# Altium PCB main_board.PcbDoc (part 1 of 2) (continued)
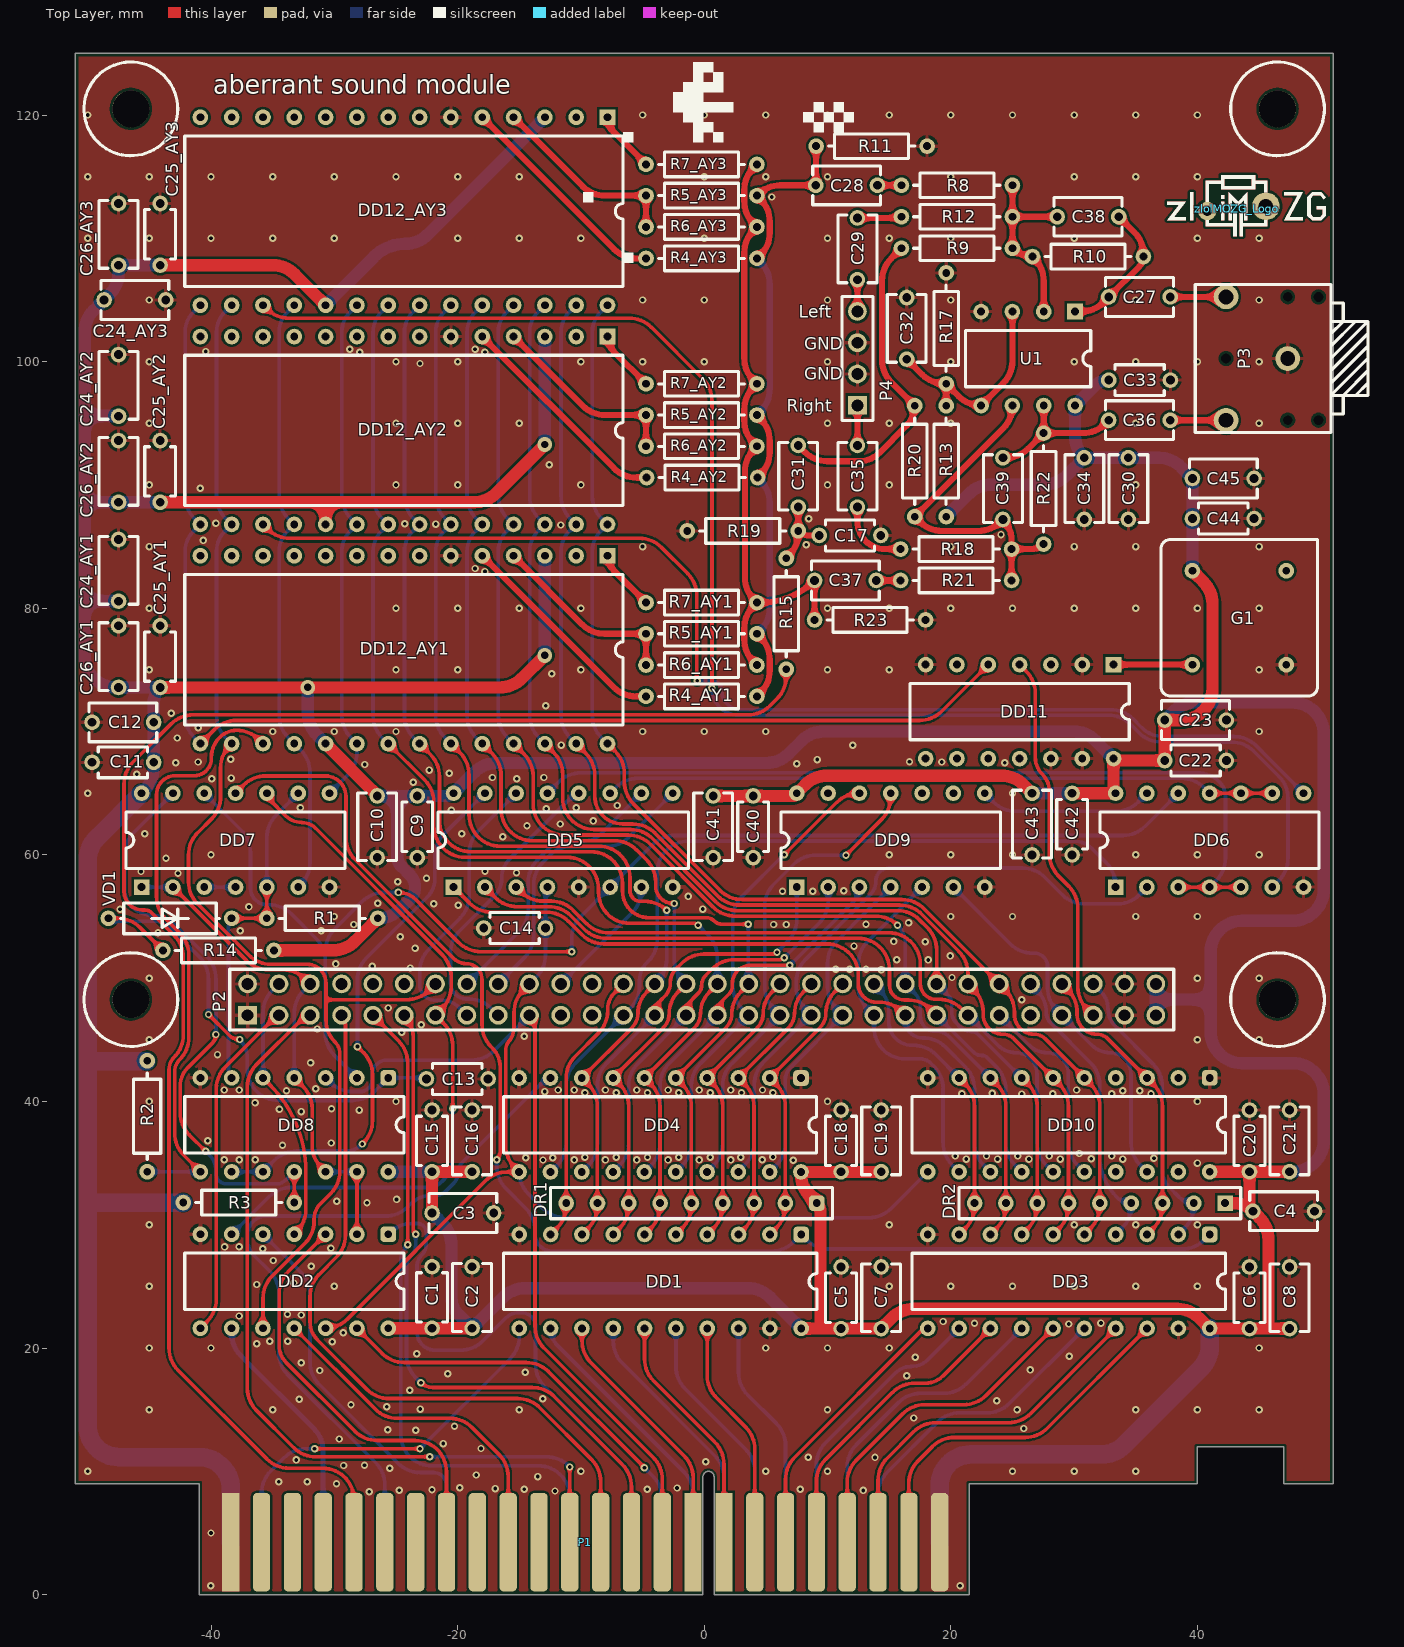
[diagram p0: Top Layer view]
## Footprints (in the part's own frame and the unit in brackets; to place one, negate y for a bottom-side part, rotate by r counter-clockwise, add the part's x,y. Pads: shape width x height; smd on the part's side, far side on the other; paste and mask are expansions set on the pad) (continued)
  silkscreen extent -1507,-97 1507,97, body extent -1500,-100 1500,100, height 339
PLS4 [mil]
  rect 60x60 hole 38: 1(150,0)
  round 60 hole 38: 2(50,0) 3(-50,0) 4(-150,0)
  silkscreen extent -198,-49 198,49, body extent -200,-50 200,50, height 332
SIP9#1 [mm]
  rrect50% 1.27x1.27 hole 0.635: 1(0,0)
  round 1.27 hole 0.635: 2(0,-2.54) 3(0,-5.08) 4(0,-7.62) 5(0,-10.16) 6(0,-12.7) 7(0,-15.24) 8(0,-17.78) 9(0,-20.32)
  silkscreen extent -1.27,-21.59 1.27,1.27, body extent -1.25,-21.61 1.25,1.29, height 6.08
SIP9#2 [mm]
  rect 1.27x1.27 hole 0.635: 1(0,0)
  round 1.27 hole 0.635: 2(0,-2.54) 3(0,-5.08) 4(0,-7.62) 5(0,-10.16) 6(0,-12.7) 7(0,-15.24) 8(0,-17.78) 9(0,-20.32)
  silkscreen extent -1.27,-21.59 1.27,1.27, body extent -1.25,-21.61 1.25,1.29, height 6.08
"SNP15-48 EDGE" [mm]
  rect 1.4x8 smd far side: A1(0,0) A16(37.5,0) A17(40,0)
  rrect50% 1.4x8 smd far side: A2(2.5,0) A3(5,0) A4(7.5,0) A5(10,0) A6(12.5,0) A7(15,0) A8(17.5,0) A9(20,0) A10(22.5,0) A11(25,0) A12(27.5,0) A13(30,0) A14(32.5,0) A15(35,0) A18(42.5,0) A19(45,0) A20(47.5,0) A21(50,0) A22(52.5,0) A23(55,0) A24(57.5,0)
  rect 1.4x8 smd: B1(0,0) B16(37.5,0) B17(40,0)
  rrect50% 1.4x8 smd: B2(2.5,0) B3(5,0) B4(7.5,0) B5(10,0) B6(12.5,0) B7(15,0) B8(17.5,0) B9(20,0) B10(22.5,0) B11(25,0) B12(27.5,0) B13(30,0) B14(32.5,0) B15(35,0) B18(42.5,0) B19(45,0) B20(47.5,0) B21(50,0) B22(52.5,0) B23(55,0) B24(57.5,0)
ST-111 [mm]
  round 0 hole 0.762 unplated: 0(0,-5)
  round 2 hole 1.2: 1(0,0) 2(5,5) 3(5,-5)
  round 0 hole 0.8 unplated: ""(-2.5,5) ""(-2.5,-5) ""(0,5) ""(5,0)
  silkscreen extent -6.5,-6 7.5,6, body extent -6.5,-6 7.5,6, height 6
zloiMOZG_Logo_1.5mm [mm]
  round 1.5 hole 0.8: 0(3.25,0.75)
  round 2.25 hole 1.2: 0(8,1.125)
  Top Layer region: 0,1.25 0,1.5 1.5,1.5 0.515,0.25 1.5,0.25 1.5,0 0,0 0.985,1.25
  Top Layer region: 1.875,0 1.875,2.25 2.125,2.25 2.125,0
  Top Layer region: 5,0 5,2.25 5.75,1.483 6.5,2.25 6.5,0 6.25,0 6.25,1.637 5.75,1.125 5.25,1.637 5.25,0
  Top Layer region: 4.375,1.75 4.375,2 4.625,2 4.625,1.75
  Top Layer region: 4.375,0 4.625,0 4.625,1.5 4.375,1.5
  Top Layer region: 9.5,2 9.5,2.25 11,2.25 9.919,0.25 11,0.25 11,0 9.5,0 10.581,2
  Top Layer region: 11.375,0.375 11.75,0 12.5,0 12.875,0.375 12.875,1.125 12.125,1.125 12.125,0.875 12.625,0.875 12.625,0.479 12.396,0.25 11.854,0.25 11.625,0.479 11.625,1.771 11.854,2 12.396,2 12.698,1.698 12.875,1.875 12.5,2.25 11.75,2.25 11.375,1.875
  Top Layer region: 3.125,1.49 3.375,1.49 3.375,2.937 4.375,2.937 4.375,3.187 3.125,3.187
  Top Layer region: 3.125,-0.5 3.125,0.01 3.375,0.01 3.375,-0.25 5.375,-0.25 5.375,-0.5
  Top Layer region: 5.375,-1.312 5.375,0.562 5.625,0.563 5.625,-1.312
  Top Layer region: 5.875,-1.313 5.875,0.562 6.125,0.563 6.125,-1.312
  Top Layer region: 6.125,-0.5 6.125,-0.25 7.875,-0.25 7.875,0.007 8.125,0.007 8.125,-0.5
  Top Layer region: 7.125,2.937 7.125,3.187 8.125,3.187 8.125,2.243 7.875,2.243 7.875,2.937
  Top Layer region: 4.375,2.5 4.625,2.75 4.625,3.375 4.375,3.625
  Top Layer region: 4.375,2.5 4.625,2.75 6.875,2.75 7.125,2.5
  Top Layer region: 6.875,2.75 7.125,2.5 7.125,3.625 6.875,3.375
  Top Layer region: 4.375,3.625 4.625,3.375 6.875,3.375 7.125,3.625
  silkscreen extent 0,-1.31 12.88,3.62

## Part data
C1 C2 C3 C4 C5 C6 C7 C8 C9 C10 C11 C12 C13 C14 C15 C16 C18 C19 C20 C21 C22 C23 C24_AY1 C24_AY2 C24_AY3 C25_AY1 C25_AY2 C25_AY3 C26_AY1 C26_AY2 C26_AY3 C27 C28 C29 C30 C31 C32 C33 C34 C35 C36 C37 C38 C39 C40 C41 C42 C43 C44 C45: library part Cap, "Murata ceramic capacitor"
C17: "Murata ceramic capacitor"
DD1 DD3: library part 74x642
DD2: library part "74x1034 IEEE", "ЛП19 6 buffers"
DD4 DD10: "ИР22 transparent latch"
DD5: "ИД7 3 to 8 DEMUX"
DD6: "ЛЕ4 3x3NOR"
DD7: "ЛИ1 4x2AND"
DD8: "ЛА13 4x2NAND O.C."
DD9: "ЛА2 8NAND"
DD11: "ИЕ19"
G1: Frequency=xx.xxxxxMHz
P1: library part "SNP15-48 EDGE"
P4: library part PLS4
R1 R2 R3 R4_AY1 R4_AY2 R4_AY3 R5_AY1 R5_AY2 R5_AY3 R6_AY1 R6_AY2 R6_AY3 R7_AY1 R7_AY2 R7_AY3 R8 R9 R10 R11 R12 R13 R14 R15 R17 R18 R19 R20 R21 R22 R23: library part "Axial Resistor 0.25"
VD1: library part Diode

## Free pads (board coordinates)
  round 3 hole 3 unplated: 0(-46.5,48.26) 0(-46.5,120.5) 0(46.5,48.26) 0(46.5,120.5)

## Via types
v1: diameter 0.6, hole 0.3, Top Layer to Bottom Layer, tented both sides, 446 vias
v2: diameter 1.2, hole 0.6, Top Layer to Bottom Layer, tented both sides, 3 vias

## Nets (pads, with @x,y where several pads share a name; then routed paths per layer and width w, separated by ;. In a path a pad name is that pad's centre, name@x,y a point inside that pad or via, vN(x,y) a via of type N, cw(c..) or ccw(c..) an arc to the next point about the centre after c; other vN are vias at no path point)
3.58MHz: DD11.4 P2.55 | length 30.3
  Top Layer w0.3: DD11.4@25.58,75.425 26.106,74.899 cw(c24.31,73.103) 26.85,73.103 26.85,67.913 ccw(c28.813,67.913) 27.425,66.525 cw(c26.037,65.137) 28,65.137 28,60.077 ccw(c30.54,60.077) 28.744,58.281 29.556,57.469 cw(c27.76,55.673) 30.3,55.673 30.3,49.292 ccw(c32.84,49.292) 31.044,47.496 P2.55@31.55,46.99
4MHz: DD2.8 P2.3 | length 27.9
  Top Layer w0.3: DD2.8@-40.865,21.605 -40.319,22.151 ccw(c-42.115,23.947) -39.575,23.947 -39.575,41.023 cw(c-37.035,41.023) -38.831,42.819 -34.78,46.87 cw(c-34.49,46.58) P2.3@-34.49,46.99
+5: C1.2 C2.2 C3.2 C4.2 C5.2 C6.2 C7.2 C8.2 C9.2 C10.2 C11.2 C12.2 C15.2 C16.2 C18.2 C19.2 C20.2 C21.2 C22.2 C23.2 C24_AY1.2 C24_AY2.2 C24_AY3.2 C25_AY1.2 C25_AY2.2 C25_AY3.2 C26_AY1.2 C26_AY2.2 C26_AY3.2 C30.2 C33.2 C34.2 C40.2 C41.2 C42.2 C43.2 C44.2 C45.2 DD1.20 DD2.14 DD3.20 DD4.20 DD5.16 DD6.14 DD7.14 DD8.14 DD9.14 DD10.20 DD11.14 DD12_AY1.3 DD12_AY1.19 DD12_AY2.3 DD12_AY2.19 DD12_AY3.3 DD12_AY3.19 DR1.1 DR2.1 G1.8 P1.A1 P1.A24 P2.59 P2.60 R1.1 R2.1 R3.1 R13.1 R14.1 U1.8 | length 708
  Top Layer w1: C25_AY1.2@-44.125,73.575 -16.577,73.575 ccw(c-16.577,76.115) -14.781,74.319 v2(-12.925,76.175) ; C25_AY2.2@-44.125,88.6 -30.704,88.6 ; C25_AY3.2@-44.125,107.825 -35.005,107.825 cw(c-35.005,105.285) -33.209,107.081 DD12_AY3.19@-30.704,104.576 ; R14.1@-34.9,52.25 -30.127,52.25 ccw(c-30.127,54.79) -28.331,52.994 R1.1@-26.475,54.85 ; DD12_AY1.19@-30.704,69.016 -26.525,64.837 C10.2@-26.525,64.775 ; DD12_AY2.19@-30.704,86.796 -30.704,88.6 ; DD2.14@-25.625,21.605 -18.825,21.605 C2.2@-18.825,21.6 ; C3.2@-22.075,30.95 C15.2@-22.075,34.3 C16.2@-18.825,34.3 ; v2(-12.925,93.275) -16.856,89.344 cw(c-18.652,91.14) -18.652,88.6 -30.704,88.6 ; C41.2@0.725,64.775 7.284,64.775 DD9.14@7.509,65 8.19,65.681 cw(c9.986,63.885) 9.986,66.425 24.1,66.425 cw(c24.1,63.885) 25.896,65.681 C43.2@26.59,64.987 ; DD1.20@7.865,21.59 9.425,21.59 ; C19.2@14.35,34.3 cw(c14.302,34.348) 14.302,34.28 11.1,34.28 DD4.20@7.85,34.28 7.85,34.077 ccw(c10.39,34.077) 8.594,32.281 DR1.1@9.125,31.75 cw(c8.401,31.026) 9.425,31.026 9.425,21.59 ; C42.2@29.84,64.987 33.335,64.987 ccw(c33.335,65.031) DD6.14@33.365,65 cw(c33.765,65.399) 33.2,65.399 DD11.14@33.2,67.805 ccw(c33.574,68.179) 33.574,67.65 C22.2@37.35,67.65 C23.2@37.35,70.925 38.685,70.925 ccw(c38.685,73.465) 41.225,73.465 41.225,80.348 ccw(c38.685,80.348) 40.481,82.144 G1.8@39.59,83.035 ; DD10.20@40.995,34.29 C20.2@44.225,34.29 ; DR2.1@42.25,31.75 42.931,31.75 cw(c42.931,29.532) 44.499,31.101 cw(c42.931,29.532) C4.2@44.5,31.1 45.024,30.575 cw(c43.228,28.779) 45.768,28.779 45.768,21.59 ; 44.225,31.764 C20.2@44.225,34.29 ; C20.2@44.225,34.3 C20.2@44.225,34.29 ; C8.2@47.475,21.575 ccw(c47.439,21.539) 47.439,21.59 45.768,21.59 ; C21.2@47.475,34.3 cw(c47.451,34.324) 47.451,34.29 C20.2@44.225,34.29 ; 9.425,21.59 11.1,21.59 14.314,21.59 cw(c14.314,21.539) C7.2@14.35,21.575 15.206,22.431 cw(c17.002,20.635) 17.002,23.175 38.358,23.175 cw(c38.358,20.635) 40.154,22.431 DD3.20@40.995,21.59 44.225,21.59 45.768,21.59
  Bottom Layer w1: C24_AY1.2@-47.5,80.575 -50.25,80.575 ; C24_AY2.2@-47.5,95.575 ccw(c-47.525,95.575) -47.525,95.6 -50.25,95.6 ; DD7.14@-45.63,65 -45.394,65.236 ccw(c-47.19,67.032) -44.65,67.032 C11.2@-44.65,67.5 C12.2@-44.65,70.75 -44.65,72.308 cw(c-42.858,72.308) C25_AY1.2@-44.125,73.575 C26_AY1.2@-47.5,73.575 -47.71,73.575 cw(c-47.71,76.115) -50.25,76.115 -50.25,80.575 ; R2.1@-45.235,43.275 -45.223,43.275 -45.04,43.092 R2.1@-45.04,43.08 ; C25_AY2.2@-44.125,88.6 C26_AY2.2@-47.5,88.6 -50.25,88.6 ; C25_AY3.2@-44.125,107.825 C26_AY3.2@-47.5,107.825 -47.5,107.227 cw(c-50.04,107.227) -48.244,105.431 C24_AY3.2@-48.675,105 -49.506,104.169 ccw(c-47.71,102.373) -50.25,102.373 -50.25,95.6 ; v2(-32.15,73.575) -32.15,71.514 ccw(c-29.61,71.514) -31.406,69.718 DD12_AY1.19@-30.704,69.016 ; DD12_AY3.19@-30.704,104.576 -26.783,108.498 cw(c-24.243,105.958) -24.243,109.55 ccw(c-24.243,112.09) -22.447,110.294 DD12_AY3.3@-12.924,119.816 ; C10.2@-26.525,64.775 -24.9,64.775 ; R1.1@-26.475,54.85 -26.452,54.85 ccw(c-26.452,57.39) -24.656,55.594 -23.825,56.425 ccw(c-24.73,57.33) -23.45,57.33 -23.45,57.375 ccw(c-24.838,57.375) -23.857,58.357 -24.531,59.031 cw(c-23.64,59.922) -24.9,59.922 -24.9,64.775 ; DD8.14@-25.625,34.29 -25.625,34.3 C15.2@-22.075,34.3 ; C3.2@-22.075,30.95 -21.244,30.119 cw(c-23.04,28.323) -20.5,28.323 -20.5,24.075 ccw(c-18.569,24.075) -19.934,22.709 C2.2@-18.825,21.6 -16.319,24.106 cw(c-14.523,22.31) -14.523,24.85 3.553,24.85 cw(c3.553,22.31) 5.349,24.106 DD1.20@7.865,21.59 ; v2(-12.925,76.175) DD12_AY1.3@-12.924,84.256 ; v2@-12.924,93.276 DD12_AY2.3@-12.924,102.036 ; R13.1@19.625,87.425 21.481,89.281 cw(c23.277,87.485) 23.277,90.025 27.586,90.025 ccw(c27.586,92.565) 29.382,90.769 C34.2@30.819,92.206 ; C43.2@26.59,64.987 C42.2@29.84,64.987 ; C33.2@32.814,98.5 ccw(c32.814,96.86) 31.655,98.02 U1.8@30.075,96.44 30.075,94.002 ccw(c32.615,94.002) C34.2@30.819,92.206 ; DD11.14@33.2,67.805 31.749,69.256 ccw(c29.953,67.46) 29.953,70 9.702,70 ccw(c9.702,67.46) 7.906,69.256 6.844,68.194 cw(c5.048,69.99) 5.048,67.45 -16.829,67.45 ccw(c-16.829,64.91) -18.625,66.706 DD5.16@-20.331,65 cw(c-20.874,65.543) -20.874,64.775 C9.2@-23.275,64.775 -24.9,64.775 ; C30.2@34.4,92.189 ccw(c34.374,92.163) 34.374,92.2 C34.2@30.825,92.2 C34.2@30.819,92.206 ; C30.2@34.4,92.2 36.873,92.2 cw(c36.873,89.66) 38.669,91.456 C45.2@39.6,90.525 39.6,83.059 cw(c39.566,83.059) G1.8@39.59,83.035 ; P2.59@36.63,46.99 36.63,48.26 ; P2.60@36.63,49.53 36.63,48.26 ; C23.2@37.35,70.925 38.031,71.606 cw(c39.827,69.81) 39.827,72.35 47.71,72.35 cw(c47.71,69.81) 50.25,69.81 50.25,57.19 cw(c47.71,57.19) 47.71,54.65 43.615,54.65 ccw(c43.615,52.11) 41.075,52.11 41.075,48.26 36.63,48.26 ; 41.075,48.1 41.075,45.64 ccw(c43.615,45.64) 43.615,43.1 47.735,43.1 cw(c47.735,40.585) 50.25,40.585 50.25,36.84 cw(c47.71,36.84) 47.71,34.3 C21.2@47.475,34.3 ; -50.25,80.575 -50.25,88.6 ; -50.25,88.6 -50.25,95.6
  Bottom Layer w1.5: DD7.14@-45.63,65 -49.256,61.374 ccw(c-47.46,59.578) -50,59.578 -50,43.275 ; R2.1@-45.235,43.275 -50,43.275 ; R3.1@-42.25,31.8 -50,31.8 ; P1.A1@-38.4,4.25 -38.4,8.61 ccw(c-40.94,8.61) -40.94,11.15 -47.46,11.15 cw(c-47.46,13.69) -50,13.69 -50,31.8 ; P1.A24@19.1,4.25 19.1,8.835 cw(c21.64,8.835) 21.64,11.375 32.248,11.375 ccw(c32.248,13.915) 34.044,12.119 40.251,18.326 ccw(c38.455,20.122) 40.995,20.122 DD3.20@40.995,21.59 ; -50,31.8 -50,43.275
A0: DD10.16 P2.49 | length 16.1
  Bottom Layer w0.3: P2.49@23.93,46.99 26.358,44.562 ccw(c27.835,46.038) 27.835,43.95 cw(c27.835,42.25) 29.535,42.25 29.535,36.642 ccw(c32.075,36.642) 30.279,34.846 DD10.16@30.835,34.29
A1: DD5.3 DD10.15 P2.47 | length 58.2
  Top Layer w0.3: DD5.3@-15.251,57.38 -14.865,56.994 ccw(c-13.069,58.79) -13.069,56.25 -12.427,56.25 cw(c-12.427,53.71) -10.631,55.506 -9.544,54.419 ccw(c-7.748,56.215) -7.748,53.675 14.985,53.675 cw(c14.985,51.135) 17.525,51.135 17.525,49.55 ccw(c18.8,49.55) 18.8,48.275 19.053,48.275 cw(c19.053,45.735) 20.849,47.531 P2.47@21.39,46.99
  Bottom Layer w0.3: P2.47@21.39,46.99 23.818,44.562 ccw(c25.295,46.038) 25.295,43.95 cw(c25.295,42.25) 26.995,42.25 26.995,36.642 ccw(c29.535,36.642) 27.739,34.846 DD10.15@28.295,34.29
A2: DD5.2 DD10.14 P2.45 | length 57.5
  Top Layer w0.3: DD5.2@-17.791,57.38 -16.955,56.544 ccw(c-15.159,58.34) -15.159,55.8 -12.613,55.8 cw(c-12.613,53.26) -10.817,55.056 -9.73,53.969 ccw(c-7.934,55.765) -7.934,53.225 12.485,53.225 cw(c12.485,50.685) 15.025,50.685 15.025,49.425 ccw(c16.225,49.425) 16.225,48.225 16.563,48.225 cw(c16.563,45.685) 18.359,47.481 P2.45@18.85,46.99
  Bottom Layer w0.3: P2.45@18.85,46.99 21.843,43.997 ccw(c22.5,44.654) 22.5,43.725 cw(c22.5,43.061) 22.969,43.531 23.711,42.789 cw(c21.915,40.993) 24.455,40.993 24.455,36.642 ccw(c26.995,36.642) 25.199,34.846 DD10.14@25.755,34.29
A3: DD5.1 DD10.13 P2.43 | length 57.7
  Top Layer w0.3: DD5.1@-20.331,57.38 -19.045,56.094 ccw(c-17.249,57.89) -17.249,55.35 -12.8,55.35 cw(c-12.8,52.81) -11.004,54.606 -9.917,53.519 ccw(c-8.121,55.315) -8.121,52.775 9.96,52.775 cw(c9.96,50.235) 12.5,50.235 12.5,49.512 ccw(c13.96,49.512) 13.96,48.052 14.196,48.052 cw(c14.196,45.512) 15.992,47.308 P2.43@16.31,46.99
  Bottom Layer w0.3: P2.43@16.31,46.99 16.31,46.54 ccw(c17.7,46.54) 17.7,45.15 17.773,45.15 cw(c17.773,42.61) 18.183,45.117 cw(c17.773,42.61) 19.569,44.406 21.171,42.804 cw(c19.375,41.008) 21.915,41.008 21.915,36.642 ccw(c24.455,36.642) 22.659,34.846 DD10.13@23.215,34.29
A4: DD4.14 DD9.2 P2.29 | length 32.6
  Top Layer w0.3: P2.29@-1.47,46.99 cw(c0.437,46.99) -0.911,48.339 -0.467,48.783 ccw(c-1.076,49.392) -0.215,49.392 cw(c0.976,49.392) -0.174,49.7 cw(c0.976,49.392) 0.134,50.234 0.656,50.756 cw(c2.452,48.96) 2.452,51.5 6.138,51.5 ccw(c6.138,52.012) v1(6.5,51.65)
  Bottom Layer w0.3: DD4.14@-7.39,34.28 -6.864,34.806 ccw(c-8.66,36.602) -6.12,36.602 -6.12,41.288 cw(c-3.58,41.288) -5.376,43.084 P2.29@-1.47,46.99 ; v1(6.5,51.65) 9.305,54.455 ccw(c7.509,56.251) 10.049,56.251 DD9.2@10.049,57.38
A4-7_9-12: DD6.13 DD9.8 | length 14.2
  Bottom Layer w0.3: DD9.8@22.749,65 23.48,64.269 ccw(c25.276,66.065) 25.276,63.525 33.378,63.525 ccw(c33.378,66.065) 35.174,64.269 DD6.13@35.905,65
A5: DD4.13 DD9.1 P2.27 | length 33.7
  Top Layer w0.3: P2.27@-4.01,46.99 cw(c-2.26,46.99) -3.497,48.228 -3.2,48.525 ccw(c-4.286,49.611) -2.75,49.611 -2.75,49.674 cw(c-1.299,49.674) -2.325,50.7 -1.819,51.206 cw(c-0.023,49.41) -0.023,51.95 5.538,51.95 ccw(c5.538,52.462) v1(5.9,52.1)
  Bottom Layer w0.3: DD4.13@-9.93,34.28 -9.404,34.806 ccw(c-11.2,36.602) -8.66,36.602 -8.66,41.288 cw(c-6.12,41.288) -7.916,43.084 P2.27@-4.01,46.99 ; v1(5.9,52.1) 6.765,52.965 ccw(c4.969,54.761) 7.509,54.761 DD9.1@7.509,57.38
A6: DD4.16 DD9.12 P2.33 | length 38.1
  Top Layer w0.3: v1(6.5,60) 10.756,64.256 cw(c12.552,62.46) 12.552,65 DD9.12@12.589,65
  Bottom Layer w0.3: DD4.16@-2.31,34.28 -1.784,34.806 ccw(c-3.58,36.602) -1.04,36.602 -1.04,41.288 cw(c1.5,41.288) -0.296,43.084 P2.33@3.61,46.99 3.069,47.531 cw(c4.865,49.327) 2.325,49.327 2.325,54.823 cw(c4.865,54.823) 3.069,56.619 6.45,60 v1(6.5,60)
A7: DD4.15 DD9.3 P2.31 | length 32
  Top Layer w0.3: P2.31@1.07,46.99 cw(c2.953,46.99) 1.622,48.322 2,48.7 ccw(c1.336,49.364) 2.275,49.364 2.275,49.532 cw(c3.793,49.532) 3.793,51.05 v1(6.95,51.05)
  Bottom Layer w0.3: DD4.15@-4.85,34.28 -4.324,34.806 ccw(c-6.12,36.602) -3.58,36.602 -3.58,41.288 cw(c-1.04,41.288) -2.836,43.084 P2.31@1.07,46.99 ; v1(6.95,51.05) 12.1,56.2 ccw(c10.919,57.38) DD9.3@12.589,57.38
A8: DD4.18 DD6.2 P2.37 | length 52.7
  Bottom Layer w0.3: DD4.18@2.8,34.375 3.326,34.901 ccw(c1.53,36.697) 4.07,36.697 4.07,41.383 cw(c6.61,41.383) 4.814,43.179 P2.37@8.72,47.085 ; P2.37@8.69,46.99 8.658,47.023 8.219,47.461 cw(c10.015,49.257) 7.475,49.257 7.475,49.723 cw(c10.015,49.723) 8.219,51.519 13.475,56.775 ccw(c12.389,57.861) 13.925,57.861 13.925,57.875 cw(c14.975,57.875) 14.975,58.925 25.823,58.925 cw(c25.823,56.385) 27.619,58.181 29.031,56.769 ccw(c30.827,58.565) 30.827,56.025 33.55,56.025 ccw(c33.55,58.44) 35.258,56.732 DD6.2@35.905,57.38
A9: DD4.17 DD9.11 P2.35 | length 39.3
  Top Layer w0.3: v1(11.5,59.975) 14.385,62.86 ccw(c12.589,64.656) 15.129,64.656 DD9.11@15.129,65
  Bottom Layer w0.3: DD4.17@0.23,34.28 0.756,34.806 ccw(c-1.04,36.602) 1.5,36.602 1.5,41.288 cw(c4.04,41.288) 2.244,43.084 P2.35@6.15,46.99 5.644,47.496 cw(c7.44,49.292) 4.9,49.292 4.9,55.823 cw(c7.44,55.823) 5.644,57.619 7.256,59.231 cw(c9.052,57.435) 9.052,59.975 v1(11.5,59.975)
A10: DD9.5 DD10.12 P2.41 | length 29.5
  Bottom Layer w0.3: DD9.5@17.669,57.38 13.244,52.955 ccw(c15.04,51.159) 12.5,51.159 12.5,49.312 ccw(c15.04,49.312) 13.244,47.516 P2.41@13.77,46.99 13.77,45.99 ccw(c16.31,45.99) 16.31,43.45 17.53,43.45 cw(c17.53,42.255) 18.375,43.1 18.631,42.844 cw(c16.835,41.048) 19.375,41.048 19.375,36.642 ccw(c21.915,36.642) 20.119,34.846 DD10.12@20.675,34.29
A11: DD4.19 DD9.4 P2.39 | length 27.6
  Bottom Layer w0.3: DD4.19@5.31,34.28 5.836,34.806 ccw(c4.04,36.602) 6.58,36.602 6.58,41.756 cw(c7.991,41.756) 6.993,42.753 P2.39@11.23,46.99 10.744,47.476 cw(c12.54,49.272) 10,49.272 10,51.191 cw(c12.54,51.191) 10.744,52.987 13.152,55.395 ; 13.269,55.52 DD9.4@15.129,57.38
A12: DD9.6 DD10.18 P2.53 | length 30.8
  Bottom Layer w0.3: DD9.6@20.209,57.38 24.82,52.769 ccw(c26.616,54.565) 26.616,52.025 26.775,52.025 cw(c26.775,50.95) 27.85,50.95 27.85,49.202 ccw(c30.39,49.202) 28.594,47.406 P2.53@29.01,46.99 31.438,44.562 ccw(c32.915,46.038) 32.915,43.95 cw(c32.915,42.25) 34.615,42.25 34.615,36.642 ccw(c37.155,36.642) 35.359,34.846 DD10.18@35.915,34.29
A\D\0\: DD3.15 P1.B21 | length 27
  Top Layer w0.3: P1.B21@11.6,4.25 11.6,9.123 cw(c14.14,9.123) 12.344,10.919 16.081,14.656 cw(c17.877,12.86) 17.877,15.4 21.053,15.4 ccw(c21.053,17.94) 22.849,16.144 DD3.15@28.295,21.59
A\D\1\: DD3.14 P1.A21 | length 25.2
  Bottom Layer w0.3: P1.A21@11.6,4.25 11.6,10.373 cw(c14.14,10.373) 12.344,12.169 15.756,15.581 cw(c17.552,13.785) 17.552,16.325 19.438,16.325 ccw(c19.438,18.865) 21.234,17.069 DD3.14@25.755,21.59
A\D\1\0\: DD3.11 P1.B19 | length 22.2
  Top Layer w0.3: P1.B19@6.6,4.25 6.6,9.348 cw(c9.14,9.348) 7.344,11.144 17.546,21.346 cw(c18.135,20.757) DD3.11@18.135,21.59
A\D\1\1\: DD1.18 P1.A19 | length 18.7
  Bottom Layer w0.3: DD1.18@2.785,21.59 2.785,17.992 ccw(c5.325,17.992) 3.529,16.196 5.856,13.869 cw(c4.06,12.073) 6.6,12.073 P1.A19@6.6,4.25
A\D\1\2\: DD3.17 P1.B22 | length 29.7
  Top Layer w0.3: P1.B22@14.1,4.25 14.1,9.273 cw(c16.64,9.273) 14.844,11.069 16.981,13.206 cw(c18.777,11.41) 18.777,13.95 24.683,13.95 ccw(c24.683,16.49) 26.479,14.694 DD3.17@33.375,21.59
A\D\1\3\: DD3.16 P1.A22 | length 26.5
  Bottom Layer w0.3: P1.A22@14.1,4.25 14.1,8.123 cw(c16.64,8.123) 14.844,9.919 18.931,14.006 cw(c20.727,12.21) 20.727,14.75 22.943,14.75 ccw(c22.943,17.29) 24.739,15.494 DD3.16@30.835,21.59
A\D\1\4\: DD3.18 P1.B23 | length 29.6
  Top Layer w0.3: P1.B23@16.6,4.25 16.6,9.048 cw(c19.14,9.048) 17.344,10.844 18.506,12.006 cw(c20.302,10.21) 20.302,12.75 26.023,12.75 ccw(c26.023,15.29) 27.819,13.494 DD3.18@35.915,21.59
A\D\1\5\: DD1.11 P1.A2 | length 31.7
  Top Layer w0.3: v1(-31.6,11.825) v1(-23.05,11.825)
  Bottom Layer w0.3: P1.A2@-35.9,4.25 -35.9,8.223 cw(c-33.36,8.223) -35.156,10.019 -34.094,11.081 cw(c-32.298,9.285) -32.298,11.825 v1(-31.6,11.825) ; v1(-23.05,11.825) -15.739,19.136 ccw(c-17.535,20.932) -14.995,20.932 DD1.11@-14.995,21.59
A\D\2\: DD3.13 P1.B20 | length 24.5
  Top Layer w0.3: P1.B20@9.1,4.25 9.1,9.173 cw(c11.64,9.173) 9.844,10.969 15.281,16.406 cw(c17.077,14.61) 17.077,17.15 17.95,17.15 ccw(c17.95,19.142) 19.358,17.733 DD3.13@23.215,21.59
A\D\3\: DD3.12 P1.A20 | length 22.8
  Bottom Layer w0.3: P1.A20@9.1,4.25 9.1,10.523 cw(c11.64,10.523) 9.844,12.319 15.495,17.97 cw(c16.775,16.689) 16.775,18.5 ccw(c16.775,20.455) 18.158,19.073 DD3.12@20.675,21.59
A\D\4\: DD1.13 P1.B16 | length 20.9
  Top Layer w0.3: DD1.13@-9.915,21.59 -9.915,20.592 ccw(c-7.375,20.592) -9.171,18.796 -1.644,11.269 cw(c-3.44,9.473) -0.9,9.473 P1.B16@-0.9,4.25
A\D\5\: DD1.12 P1.A16 | length 21.9
  Bottom Layer w0.3: DD1.12@-12.455,21.59 ccw(c-10.439,21.59) -11.865,20.165 -1.644,9.944 cw(c-3.44,8.148) -0.9,8.148 P1.A16@-0.9,4.25
A\D\6\: DD1.15 P1.B17 | length 19.8
  Top Layer w0.3: DD1.15@-4.835,21.59 -4.835,19.112 ccw(c-2.295,19.112) -4.091,17.316 0.856,12.369 cw(c-0.94,10.573) 1.6,10.573 P1.B17@1.6,4.25
A\D\7\: DD1.14 P1.A17 | length 20.8
  Bottom Layer w0.3: DD1.14@-7.375,21.59 -7.375,20.552 ccw(c-4.835,20.552) -6.631,18.756 0.856,11.269 cw(c-0.94,9.473) 1.6,9.473 P1.A17@1.6,4.25
A\D\8\: DD1.17 P1.B18 | length 18.7
  Top Layer w0.3: DD1.17@0.245,21.59 0.245,17.757 ccw(c2.785,17.757) 0.989,15.961 3.356,13.594 cw(c1.56,11.798) 4.1,11.798 P1.B18@4.1,4.25
A\D\9\: DD1.16 P1.A18 | length 19.8
  Bottom Layer w0.3: DD1.16@-2.295,21.59 -2.295,18.497 ccw(c0.245,18.497) -1.551,16.701 3.356,11.794 cw(c1.56,9.998) 4.1,9.998 P1.A18@4.1,4.25
AD0: DD3.5 DD10.5 DD12_AY1.28 DD12_AY2.28 DD12_AY3.28 DR2.5 P2.50 | length 102.6
  Top Layer w0.3: DD12_AY1.28@-7.844,69.016 -7.219,68.391 cw(c-9.015,66.595) -6.475,66.595 -6.475,65.927 ccw(c-3.935,65.927) -5.731,64.131 1.281,57.119 ccw(c3.077,58.915) 3.077,56.375 16.033,56.375 cw(c16.033,53.835) 17.829,55.631 19.13,54.33 19.817,53.643 21.805,51.655 P2.50@23.93,49.53 24.416,49.044 cw(c22.62,47.248) 25.16,47.248 25.16,47.05 ccw(c26.76,47.05) 26.76,45.45 cw(c26.76,44.159) 27.673,45.072 DD10.5@30.835,41.91 31.341,41.404 cw(c29.545,39.608) 32.085,39.608 32.085,31.512 cw(c29.545,31.512) 31.341,29.716 DD3.5@30.835,29.21
  Bottom Layer w0.3: DD12_AY1.28@-7.844,69.016 -8.331,69.503 cw(c-6.535,71.299) -9.075,71.299 -9.075,84.625 cw(c-6.804,84.625) -8.41,86.23 DD12_AY2.28@-7.844,86.796 -8.331,87.283 cw(c-6.535,89.079) -9.075,89.079 -9.075,102.405 cw(c-6.804,102.405) -8.41,104.01 DD12_AY3.28@-7.844,104.576
AD1: DD3.6 DD10.6 DD12_AY1.27 DD12_AY2.27 DD12_AY3.27 DR2.6 P2.48 | length 104
  Top Layer w0.3: DD12_AY1.27@-10.384,69.016 -9.619,68.251 cw(c-11.415,66.455) -8.875,66.455 -8.875,64.775 ccw(c-6.6,64.775) -6.6,62.5 -5.788,62.5 cw(c-5.788,59.96) -3.992,61.756 1.095,56.669 ccw(c2.891,58.465) 2.891,55.925 15.846,55.925 cw(c15.846,53.385) 17.643,55.181 20.646,52.178 20.646,52.167 cw(c18.85,50.371) 21.39,50.371 P2.48@21.39,49.53 21.876,49.044 cw(c20.08,47.248) 22.62,47.248 22.62,47.05 ccw(c24.22,47.05) 24.22,45.45 cw(c24.22,44.159) 25.133,45.072 DD10.6@28.295,41.91 28.801,41.404 cw(c27.005,39.608) 29.545,39.608 29.545,31.512 cw(c27.005,31.512) 28.801,29.716 DD3.6@28.295,29.21
  Bottom Layer w0.3: DD12_AY1.27@-10.384,69.016 -10.871,69.503 cw(c-9.075,71.299) -11.615,71.299 -11.615,84.625 cw(c-9.344,84.625) -10.95,86.23 DD12_AY2.27@-10.384,86.796 -10.871,87.283 cw(c-9.075,89.079) -11.615,89.079 -11.615,102.405 cw(c-9.344,102.405) -10.95,104.01 DD12_AY3.27@-10.384,104.576
AD2: DD3.7 DD10.7 DD12_AY1.26 DD12_AY2.26 DD12_AY3.26 DR2.7 P2.46 | length 105.2
  Top Layer w0.3: DD12_AY1.26@-12.924,69.016 -12.219,68.311 cw(c-14.015,66.515) -11.475,66.515 -11.475,64.59 ccw(c-8.935,64.59) -8.935,62.05 -5.975,62.05 cw(c-5.975,59.51) -4.179,61.306 0.908,56.219 ccw(c2.704,58.015) 2.704,55.475 15.697,55.475 cw(c15.697,53.024) 17.43,54.757 18.106,54.081 cw(c16.31,52.285) 18.85,52.285 P2.46@18.85,49.53 ; DD3.7@25.755,29.21 26.261,29.716 ccw(c24.465,31.512) 27.005,31.512 27.005,39.608 ccw(c24.465,39.608) 26.261,41.404 DD10.7@25.755,41.91
  Bottom Layer w0.3: DD12_AY1.26@-12.924,69.016 -13.411,69.503 cw(c-11.615,71.299) -14.155,71.299 -14.155,84.625 cw(c-11.884,84.625) -13.49,86.23 DD12_AY2.26@-12.924,86.796 -13.411,87.283 cw(c-11.615,89.079) -14.155,89.079 -14.155,102.405 cw(c-11.884,102.405) -13.49,104.01 DD12_AY3.26@-12.924,104.576 ; P2.46@18.85,49.53 19.789,48.591 cw(c19.097,47.9) 20.075,47.9 20.075,47.286 ccw(c21.431,47.286) 20.473,46.326 20.754,46.046 ccw(c21.65,46.942) 21.65,45.675 cw(c21.65,44.854) 22.23,45.435 DD10.7@25.755,41.91
AD3: DD3.8 DD10.8 DD12_AY1.25 DD12_AY2.25 DD12_AY3.25 DR2.8 P2.44 | length 105.7
  Top Layer w0.3: DD12_AY1.25@-15.464,69.016 -14.619,68.171 cw(c-16.415,66.375) -13.875,66.375 -13.875,64.125 ccw(c-11.35,64.125) -11.35,61.6 -6.161,61.6 cw(c-6.161,59.06) -4.365,60.856 0.722,55.769 ccw(c2.518,57.565) 2.518,55.025 13.925,55.025 cw(c13.925,52.55) v1(15.675,54.3) ; DD3.8@23.215,29.21 23.721,29.716 ccw(c21.925,31.512) 24.465,31.512 24.465,39.608 ccw(c21.925,39.608) 23.721,41.404 DD10.8@23.215,41.91
  Bottom Layer w0.3: DD12_AY1.25@-15.464,69.016 -15.951,69.503 cw(c-14.155,71.299) -16.695,71.299 -16.695,84.625 cw(c-14.424,84.625) -16.03,86.23 DD12_AY2.25@-15.464,86.796 -15.951,87.283 cw(c-14.155,89.079) -16.695,89.079 -16.695,102.405 cw(c-14.424,102.405) -16.03,104.01 DD12_AY3.25@-15.464,104.576 ; v1(15.675,54.3) cw(c14.142,52.767) 16.31,52.767 P2.44@16.31,49.53 17.09,48.75 cw(c16.04,47.7) 17.525,47.7 17.525,46.925 ccw(c18.75,46.925) 18.75,45.7 cw(c18.75,44.071) 19.902,45.223 DD10.8@23.215,41.91
AD4: DD1.7 DD4.7 DD12_AY1.24 DD12_AY2.24 DD12_AY3.24 DR1.7 P2.30 | length 91.7
  Top Layer w0.3: DD12_AY1.24@-18.004,69.016 -17.219,68.231 cw(c-19.015,66.435) -16.475,66.435 -16.475,63.69 ccw(c-13.935,63.69) -13.935,61.15 -7.286,61.15 cw(c-7.286,58.61) -5.49,60.406 -4.68,59.596 cw(c-6.476,57.8) -3.936,57.8 -3.936,57.48 ccw(c-2.507,57.48) -2.507,56.05 v1(-2.425,56.05) ; DD4.7@-7.39,41.9 -3.326,45.964 ccw(c-4.513,47.15) -2.835,47.15 cw(c-0.385,47.15) -2.118,48.882 P2.30@-1.47,49.53 ; DD1.7@-7.375,29.21 -6.869,29.716 ccw(c-8.665,31.512) -6.125,31.512 -6.125,39.608 ccw(c-8.665,39.608) -6.869,41.404 DD4.7@-7.375,41.91
  Bottom Layer w0.3: DD12_AY1.24@-18.004,69.016 -18.491,69.503 cw(c-16.695,71.299) -19.235,71.299 -19.235,84.625 cw(c-16.964,84.625) -18.57,86.23 DD12_AY2.24@-18.004,86.796 -18.491,87.283 cw(c-16.695,89.079) -19.235,89.079 -19.235,102.405 cw(c-16.964,102.405) -18.57,104.01 DD12_AY3.24@-18.004,104.576 ; v1(-2.425,56.05) -2.425,51.537 ccw(c0.115,51.537) -1.681,49.741 P2.30@-1.475,49.535
AD5: DD1.8 DD4.8 DD12_AY1.23 DD12_AY2.23 DD12_AY3.23 DR1.8 P2.28 | length 93.8
  Top Layer w0.3: DD12_AY1.23@-20.544,69.016 -19.819,68.291 cw(c-21.615,66.495) -19.075,66.495 -19.075,63.24 ccw(c-16.535,63.24) -16.535,60.7 -8.566,60.7 cw(c-8.566,58.16) -6.026,58.16 -6.026,57.101 ccw(c-5.15,57.101) -6.01,56.936 ccw(c-5.15,57.101) -5.15,56.225 -4.8,56.225 cw(c-4.8,53.75) v1(-3.05,55.5) ; DD4.8@-9.93,41.9 -5.866,45.964 ccw(c-7.053,47.15) -5.375,47.15 cw(c-2.925,47.15) -4.658,48.882 P2.28@-4.01,49.53 ; DD1.8@-9.915,29.21 -9.409,29.716 ccw(c-11.205,31.512) -8.665,31.512 -8.665,39.608 ccw(c-11.205,39.608) -9.409,41.404 DD4.8@-9.915,41.91
  Bottom Layer w0.3: DD12_AY1.23@-20.544,69.016 -21.031,69.503 cw(c-19.235,71.299) -21.775,71.299 -21.775,84.625 cw(c-19.504,84.625) -21.11,86.23 DD12_AY2.23@-20.544,86.796 -21.031,87.283 cw(c-19.235,89.079) -21.775,89.079 -21.775,102.405 cw(c-19.504,102.405) -21.11,104.01 DD12_AY3.23@-20.544,104.576 ; P2.28@-4.01,49.53 -3.794,49.746 ccw(c-5.59,51.542) -3.05,51.542 v1(-3.05,55.5)